# KiCad board panel-74pad-70pin-mezzanine.kicad_pcb (continued)
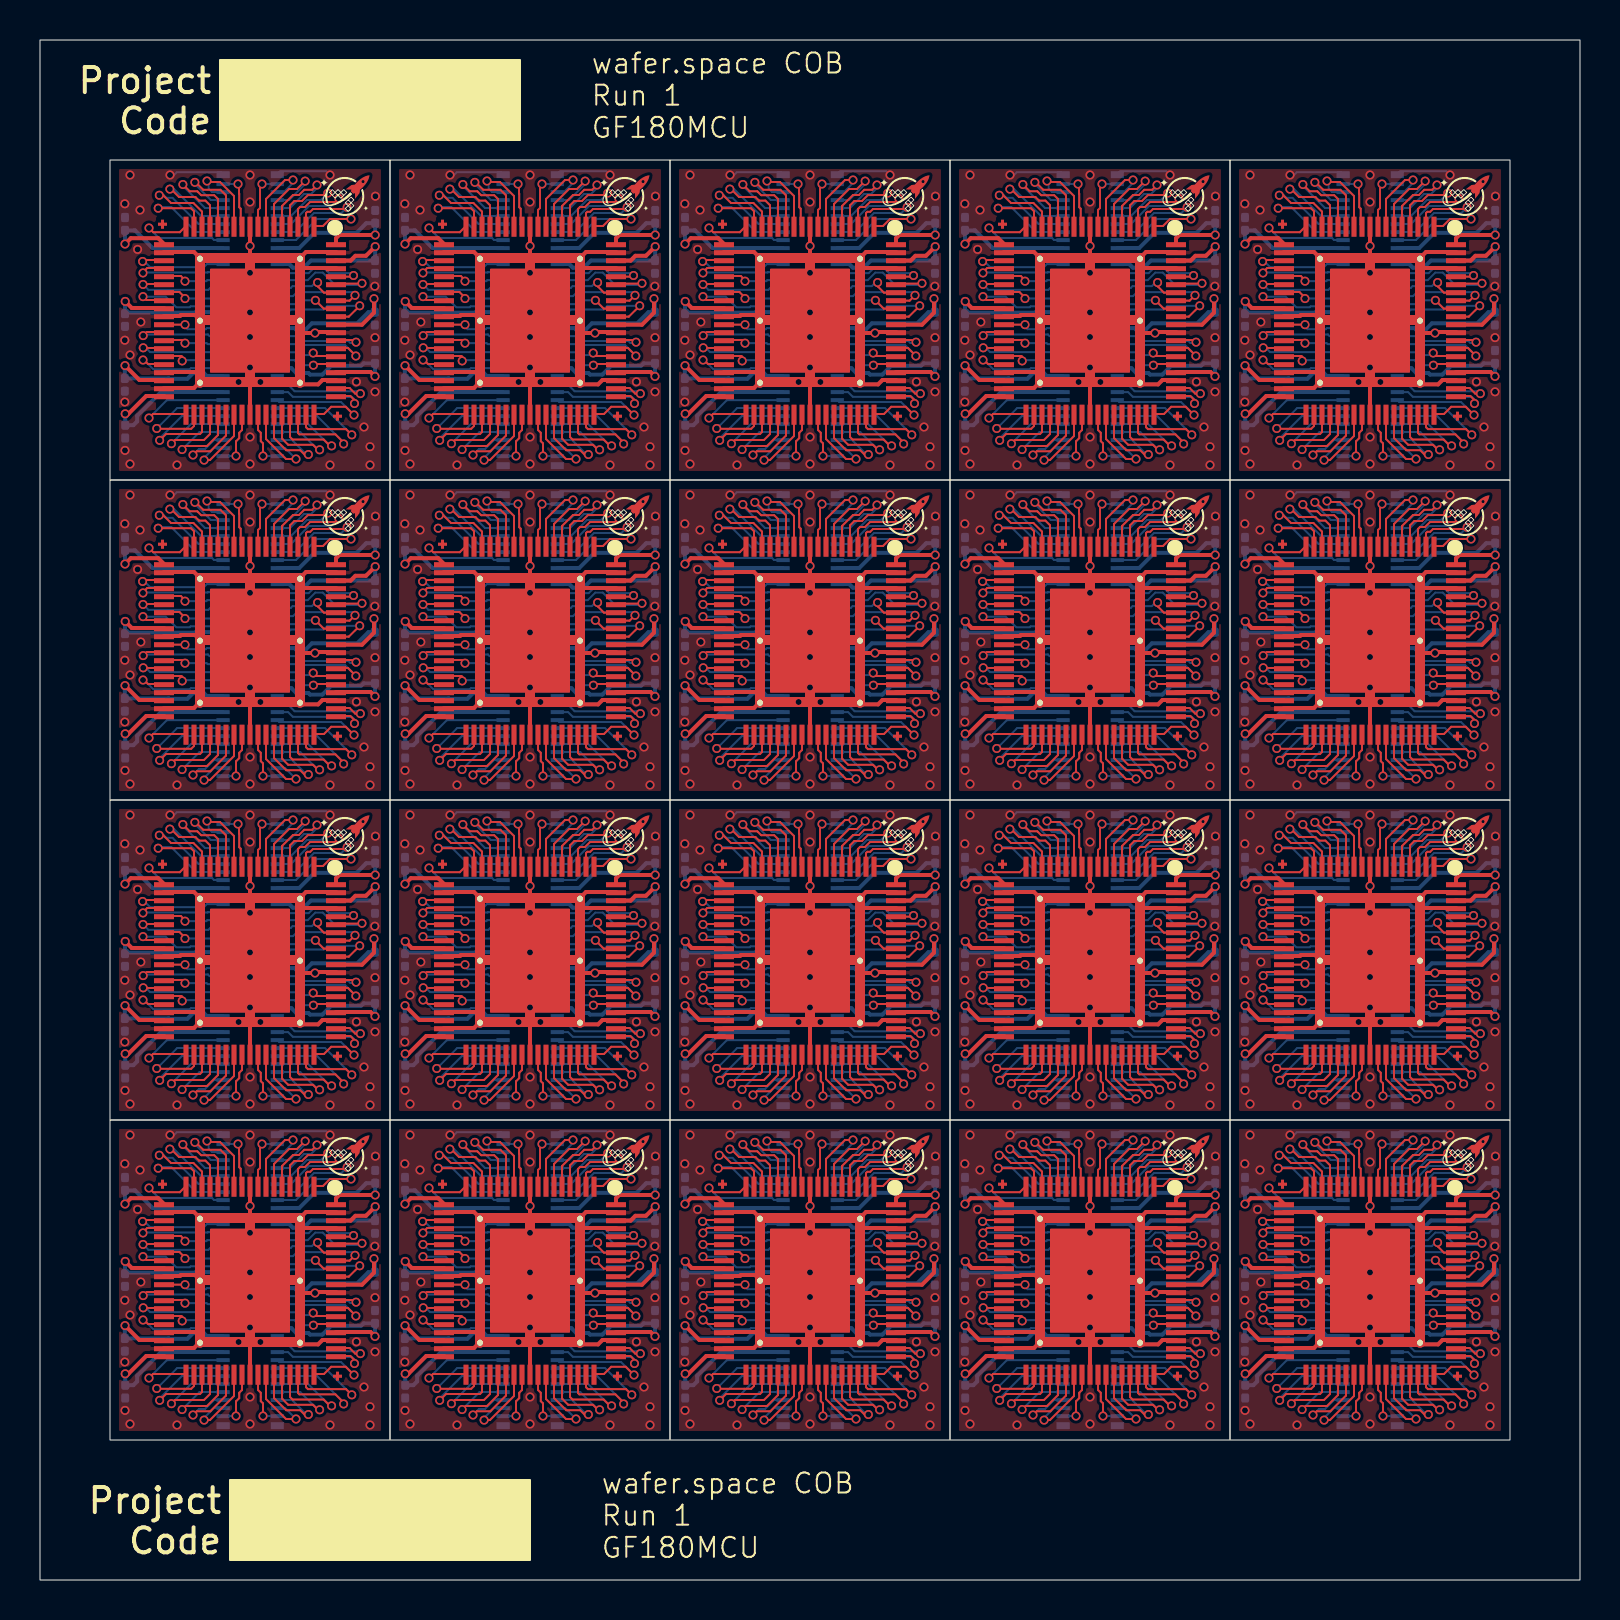
[diagram p0: board, top side]
## Routing (per net, layer and track width the routed paths; a pad name or vN(x,y) marks a point on that pad's centre or on a via; arc(x,y) is an arc through that point) (continued)
VDD_CORE_0: length 159.7
  Top w0.2: v1(32.25,60.72) 32.97,60 34.2,60 ; 6.2,60 4.97,60 v1(4.25,60.72) ; 34.2,44 32.97,44 v1(32.25,44.72) ; 20.2,28 18.97,28 v1(18.25,28.72) ; 34.2,28 32.97,28 v1(32.25,28.72) ; 34.2,12 32.97,12 v1(32.25,12.72) ; v1(46.25,60.72) 46.97,60 48.2,60 ; 6.2,44 4.97,44 v1(4.25,44.72) ; 48.2,44 46.97,44 v1(46.25,44.72) ; 62.2,28 60.97,28 v1(60.25,28.72) ; v1(46.25,12.72) 46.97,12 48.2,12 ; v1(4.25,28.72) 4.97,28 6.2,28 ; 20.2,44 18.97,44 v1(18.25,44.72) ; 20.2,60 18.97,60 v1(18.25,60.72) ; v1(60.25,12.72) 60.97,12 62.2,12 ; v1(60.25,60.72) 60.97,60 62.2,60 ; 20.2,12 18.97,12 v1(18.25,12.72) ; 48.2,28 46.97,28 v1(46.25,28.72) ; v1(4.25,12.72) 4.97,12 6.2,12 ; 62.2,44 60.97,44 v1(60.25,44.72)
  Bottom w0.2: 23.15,28.2 22.34,28.2 22.19,28.34 21.65,28.34 21.36,28.06 20.46,28.06 20.44,28.08 C191.1 18.24,28.71 v1(18.25,28.72) ; 51.15,28.2 50.34,28.2 50.19,28.34 49.65,28.34 49.36,28.06 48.46,28.06 48.44,28.08 C207.1 46.24,28.71 v1(46.25,28.72) ; 37.15,44.2 36.34,44.2 36.19,44.34 35.65,44.34 35.36,44.06 34.46,44.06 34.44,44.08 C159.1 32.24,44.71 v1(32.25,44.72) ; 65.15,60.2 64.34,60.2 64.19,60.34 63.65,60.34 63.36,60.06 62.46,60.06 62.44,60.08 C135.1 60.24,60.71 v1(60.25,60.72) ; 9.15,28.2 8.34,28.2 8.19,28.34 7.65,28.34 7.36,28.06 6.46,28.06 6.44,28.08 C183.1 4.24,28.71 v1(4.25,28.72) ; 37.15,28.2 36.34,28.2 36.19,28.34 35.65,28.34 35.36,28.06 34.46,28.06 34.44,28.08 C199.1 32.24,28.71 v1(32.25,28.72) ; v1(60.25,28.72) 60.24,28.71 C215.1 62.44,28.08 62.46,28.06 63.36,28.06 63.65,28.34 64.19,28.34 64.34,28.2 65.15,28.2 ; v1(32.25,12.72) 32.24,12.71 C239.1 34.44,12.08 34.46,12.06 35.36,12.06 35.65,12.34 36.19,12.34 36.34,12.2 37.15,12.2 ; 51.15,12.2 50.34,12.2 50.19,12.34 49.65,12.34 49.36,12.06 48.46,12.06 48.44,12.08 C247.1 46.24,12.71 v1(46.25,12.72) ; 65.15,44.2 64.34,44.2 64.19,44.34 63.65,44.34 63.36,44.06 62.46,44.06 62.44,44.08 C175.1 60.24,44.71 v1(60.25,44.72) ; 23.15,12.2 22.34,12.2 22.19,12.34 21.65,12.34 21.36,12.06 20.46,12.06 20.44,12.08 C231.1 18.24,12.71 v1(18.25,12.72) ; 51.15,44.2 50.34,44.2 50.19,44.34 49.65,44.34 49.36,44.06 48.46,44.06 48.44,44.08 C167.1 46.24,44.71 v1(46.25,44.72) ; 9.15,44.2 8.34,44.2 8.19,44.34 7.65,44.34 7.36,44.06 6.46,44.06 6.44,44.08 C143.1 4.24,44.71 v1(4.25,44.72) ; 23.15,60.2 22.34,60.2 22.19,60.34 21.65,60.34 21.36,60.06 20.46,60.06 20.44,60.08 C111.1 18.24,60.71 v1(18.25,60.72) ; 51.15,60.2 50.34,60.2 50.19,60.34 49.65,60.34 49.36,60.06 48.46,60.06 48.44,60.08 C127.1 46.24,60.71 v1(46.25,60.72) ; v1(60.25,12.72) 60.24,12.71 C255.1 62.44,12.08 62.46,12.06 63.36,12.06 63.65,12.34 64.19,12.34 64.34,12.2 65.15,12.2 ; v1(4.25,60.72) 4.24,60.71 C103.1 6.44,60.08 6.46,60.06 7.36,60.06 7.65,60.34 8.19,60.34 8.34,60.2 9.15,60.2 ; 37.15,60.2 36.34,60.2 36.19,60.34 35.65,60.34 35.36,60.06 34.46,60.06 34.44,60.08 C119.1 32.24,60.71 v1(32.25,60.72) ; 23.15,44.2 22.34,44.2 22.19,44.34 21.65,44.34 21.36,44.06 20.46,44.06 20.44,44.08 C151.1 18.24,44.71 v1(18.25,44.72) ; v1(4.25,12.72) 4.24,12.71 C223.1 6.44,12.08 6.46,12.06 7.36,12.06 7.65,12.34 8.19,12.34 8.34,12.2 9.15,12.2
VDD_CORE_1: length 161.7
  Top w0.2: v1(44.76,18.67) 44.3,18.21 43.77,18.21 43.53,17.97 42.83,17.97 42.8,18 ; 14.8,66 14.83,65.97 15.53,65.97 15.77,66.21 16.3,66.21 v1(16.76,66.67) ; v1(72.76,66.67) 72.3,66.21 71.77,66.21 71.53,65.97 70.83,65.97 70.8,66 ; 42.8,50 42.83,49.97 43.53,49.97 43.77,50.21 44.3,50.21 v1(44.76,50.67) ; 28.8,34 28.83,33.97 29.53,33.97 29.77,34.21 30.3,34.21 v1(30.76,34.67) ; v1(44.76,66.67) 44.3,66.21 43.77,66.21 43.53,65.97 42.83,65.97 42.8,66 ; v1(16.76,50.67) 16.3,50.21 15.77,50.21 15.53,49.97 14.83,49.97 14.8,50 ; 70.8,18 70.83,17.97 71.53,17.97 71.77,18.21 72.3,18.21 v1(72.76,18.67) ; v1(72.76,34.67) 72.3,34.21 71.77,34.21 71.53,33.97 70.83,33.97 70.8,34 ; v1(58.76,50.67) 58.3,50.21 57.77,50.21 57.53,49.97 56.83,49.97 56.8,50 ; v1(58.76,34.67) 58.3,34.21 57.77,34.21 57.53,33.97 56.83,33.97 56.8,34 ; v1(44.76,34.67) 44.3,34.21 43.77,34.21 43.53,33.97 42.83,33.97 42.8,34 ; v1(16.76,18.67) 16.3,18.21 15.77,18.21 15.53,17.97 14.83,17.97 14.8,18 ; v1(58.76,18.67) 58.3,18.21 57.77,18.21 57.53,17.97 56.83,17.97 56.8,18 ; v1(72.76,50.67) 72.3,50.21 71.77,50.21 71.53,49.97 70.83,49.97 70.8,50 ; v1(30.76,50.67) 30.3,50.21 29.77,50.21 29.53,49.97 28.83,49.97 28.8,50 ; 28.8,18 28.83,17.97 29.53,17.97 29.77,18.21 30.3,18.21 v1(30.76,18.67) ; 56.8,66 56.83,65.97 57.53,65.97 57.77,66.21 58.3,66.21 v1(58.76,66.67) ; 28.8,66 28.83,65.97 29.53,65.97 29.77,66.21 30.3,66.21 v1(30.76,66.67) ; 14.8,34 14.83,33.97 15.53,33.97 15.77,34.21 16.3,34.21 v1(16.76,34.67)
  Bottom w0.2: 39.85,17.8 40.46,17.8 40.64,17.61 41.19,17.61 41.55,17.97 C240.1 44.76,17.98 v1(44.76,18.67) ; v1(72.76,50.67) 72.76,49.98 C176.1 69.55,49.97 69.19,49.61 68.64,49.61 68.46,49.8 67.86,49.8 ; v1(58.76,50.67) 58.76,49.98 C168.1 55.55,49.97 55.19,49.61 54.64,49.61 54.46,49.8 53.85,49.8 ; v1(72.76,34.67) 72.76,33.98 C216.1 69.55,33.97 69.19,33.61 68.64,33.61 68.46,33.8 67.86,33.8 ; v1(30.76,50.67) 30.76,49.98 C152.1 27.55,49.97 27.19,49.61 26.64,49.61 26.46,49.8 25.85,49.8 ; v1(30.76,34.67) 30.76,33.98 C192.1 27.55,33.97 27.19,33.61 26.64,33.61 26.46,33.8 25.85,33.8 ; 67.86,65.8 68.46,65.8 68.64,65.61 69.19,65.61 69.55,65.97 C136.1 72.76,65.98 v1(72.76,66.67) ; 53.85,65.8 54.46,65.8 54.64,65.61 55.19,65.61 55.55,65.97 C128.1 58.76,65.98 v1(58.76,66.67) ; v1(58.76,18.67) 58.76,17.98 C248.1 55.55,17.97 55.19,17.61 54.64,17.61 54.46,17.8 53.85,17.8 ; 11.85,17.8 12.46,17.8 12.64,17.61 13.19,17.61 13.55,17.97 C224.1 16.76,17.98 v1(16.76,18.67) ; v1(44.76,66.67) 44.76,65.98 C120.1 41.55,65.97 41.19,65.61 40.64,65.61 40.46,65.8 39.85,65.8 ; 25.85,65.8 26.46,65.8 26.64,65.61 27.19,65.61 27.55,65.97 C112.1 30.76,65.98 v1(30.76,66.67) ; 11.85,49.8 12.46,49.8 12.64,49.61 13.19,49.61 13.55,49.97 C144.1 16.76,49.98 v1(16.76,50.67) ; v1(58.76,34.67) 58.76,33.98 C208.1 55.55,33.97 55.19,33.61 54.64,33.61 54.46,33.8 53.85,33.8 ; v1(16.76,34.67) 16.76,33.98 C184.1 13.55,33.97 13.19,33.61 12.64,33.61 12.46,33.8 11.85,33.8 ; v1(16.76,66.67) 16.76,65.98 C104.1 13.55,65.97 13.19,65.61 12.64,65.61 12.46,65.8 11.85,65.8 ; v1(44.76,50.67) 44.76,49.98 C160.1 41.55,49.97 41.19,49.61 40.64,49.61 40.46,49.8 39.85,49.8 ; 39.85,33.8 40.46,33.8 40.64,33.61 41.19,33.61 41.55,33.97 C200.1 44.76,33.98 v1(44.76,34.67) ; v1(72.76,18.67) 72.76,17.98 C256.1 69.55,17.97 69.19,17.61 68.64,17.61 68.46,17.8 67.86,17.8 ; v1(30.76,18.67) 30.76,17.98 C232.1 27.55,17.97 27.19,17.61 26.64,17.61 26.46,17.8 25.85,17.8
VDD_IO_0: length 162.7
  Top w0.2: v1(60.25,34.8) 60.54,35.09 61.91,35.09 62.2,34.8 ; 6.2,50.8 5.91,51.09 4.54,51.09 v1(4.25,50.8) ; v1(46.25,18.8) 46.54,19.09 47.91,19.09 48.2,18.8 ; 34.2,66.8 33.91,67.09 32.54,67.09 v1(32.25,66.8) ; v1(32.25,50.8) 32.54,51.09 33.91,51.09 34.2,50.8 ; 48.2,66.8 47.91,67.09 46.54,67.09 v1(46.25,66.8) ; 6.2,34.8 5.91,35.09 4.54,35.09 v1(4.25,34.8) ; v1(60.25,66.8) 60.54,67.09 61.91,67.09 62.2,66.8 ; 20.2,34.8 19.91,35.09 18.54,35.09 v1(18.25,34.8) ; 62.2,50.8 61.91,51.09 60.54,51.09 v1(60.25,50.8) ; 62.2,18.8 61.91,19.09 60.54,19.09 v1(60.25,18.8) ; v1(46.25,34.8) 46.54,35.09 47.91,35.09 48.2,34.8 ; v1(4.25,18.8) 4.54,19.09 5.91,19.09 6.2,18.8 ; v1(32.25,18.8) 32.54,19.09 33.91,19.09 34.2,18.8 ; v1(32.25,34.8) 32.54,35.09 33.91,35.09 34.2,34.8 ; 20.2,66.8 19.91,67.09 18.54,67.09 v1(18.25,66.8) ; 48.2,50.8 47.91,51.09 46.54,51.09 v1(46.25,50.8) ; v1(18.25,18.8) 18.54,19.09 19.91,19.09 20.2,18.8 ; v1(18.25,50.8) 18.54,51.09 19.91,51.09 20.2,50.8 ; 6.2,66.8 5.91,67.09 4.54,67.09 v1(4.25,66.8)
  Bottom w0.2: v1(60.25,66.8) C139.1 60.74,67.48 61.63,66.6 65.15,66.6 ; v1(4.25,66.8) C107.1 4.74,67.48 5.63,66.6 9.15,66.6 ; 51.15,18.6 47.63,18.6 46.74,19.48 C251.1 v1(46.25,18.8) ; 37.15,34.6 33.63,34.6 32.74,35.48 C203.1 v1(32.25,34.8) ; 23.15,66.6 19.63,66.6 18.74,67.48 C115.1 v1(18.25,66.8) ; v1(18.25,18.8) C235.1 18.74,19.48 19.63,18.6 23.15,18.6 ; 37.15,66.6 33.63,66.6 32.74,67.48 C123.1 v1(32.25,66.8) ; 51.15,66.6 47.63,66.6 46.74,67.48 C131.1 v1(46.25,66.8) ; v1(60.25,34.8) C219.1 60.74,35.48 61.63,34.6 65.15,34.6 ; v1(18.25,34.8) C195.1 18.74,35.48 19.63,34.6 23.15,34.6 ; v1(46.25,50.8) C171.1 46.74,51.48 47.63,50.6 51.15,50.6 ; 37.15,18.6 33.63,18.6 32.74,19.48 C243.1 v1(32.25,18.8) ; 9.15,18.6 5.63,18.6 4.74,19.48 C227.1 v1(4.25,18.8) ; 9.15,34.6 5.63,34.6 4.74,35.48 C187.1 v1(4.25,34.8) ; 9.15,50.6 5.63,50.6 4.74,51.48 C147.1 v1(4.25,50.8) ; v1(60.25,18.8) C259.1 60.74,19.48 61.63,18.6 65.15,18.6 ; 37.15,50.6 33.63,50.6 32.74,51.48 C163.1 v1(32.25,50.8) ; v1(60.25,50.8) C179.1 60.74,51.48 61.63,50.6 65.15,50.6 ; v1(46.25,34.8) C211.1 46.74,35.48 47.63,34.6 51.15,34.6 ; 23.15,50.6 19.63,50.6 18.74,51.48 C155.1 v1(18.25,50.8)
VDD_IO_1: length 172.3
  Top w0.2: 20.2,59.2 19.31,59.2 18.42,58.31 v1(18.26,58.31) ; 62.2,27.2 61.31,27.2 60.42,26.31 v1(60.26,26.31) ; v1(32.26,58.31) 32.42,58.31 33.31,59.2 34.2,59.2 ; 34.2,27.2 33.31,27.2 32.42,26.31 v1(32.26,26.31) ; v1(46.26,10.31) 46.42,10.31 47.31,11.2 48.2,11.2 ; 6.2,59.2 5.31,59.2 4.42,58.31 v1(4.26,58.31) ; v1(32.26,42.31) 32.42,42.31 33.31,43.2 34.2,43.2 ; 62.2,43.2 61.31,43.2 60.42,42.31 v1(60.26,42.31) ; v1(4.26,42.31) 4.42,42.31 5.31,43.2 6.2,43.2 ; 20.2,11.2 19.31,11.2 18.42,10.31 v1(18.26,10.31) ; 6.2,11.2 5.31,11.2 4.42,10.31 v1(4.26,10.31) ; 48.2,59.2 47.31,59.2 46.42,58.31 v1(46.26,58.31) ; 48.2,27.2 47.31,27.2 46.42,26.31 v1(46.26,26.31) ; 20.2,27.2 19.31,27.2 18.42,26.31 v1(18.26,26.31) ; v1(32.26,10.31) 32.42,10.31 33.31,11.2 34.2,11.2 ; 48.2,43.2 47.31,43.2 46.42,42.31 v1(46.26,42.31) ; 62.2,11.2 61.31,11.2 60.42,10.31 v1(60.26,10.31) ; v1(60.26,58.31) 60.42,58.31 61.31,59.2 62.2,59.2 ; v1(4.26,26.31) 4.42,26.31 5.31,27.2 6.2,27.2 ; 20.2,43.2 19.31,43.2 18.42,42.31 v1(18.26,42.31)
  Bottom w0.2: 9.15,27.4 6.05,27.4 4.86,26.21 4.86,25.93 4.67,25.74 C181.1 v1(4.26,26.31) ; 51.15,27.4 48.05,27.4 46.86,26.21 46.86,25.93 46.67,25.74 C205.1 v1(46.26,26.31) ; 23.15,11.4 20.05,11.4 18.86,10.21 18.86,9.93 18.67,9.74 C229.1 v1(18.26,10.31) ; v1(18.26,26.31) C189.1 18.67,25.74 18.86,25.93 18.86,26.21 20.05,27.4 23.15,27.4 ; 51.15,59.4 48.05,59.4 46.86,58.21 46.86,57.93 46.67,57.74 C125.1 v1(46.26,58.31) ; 37.15,59.4 34.05,59.4 32.86,58.21 32.86,57.93 32.67,57.74 C117.1 v1(32.26,58.31) ; v1(32.26,42.31) C157.1 32.67,41.74 32.86,41.93 32.86,42.21 34.05,43.4 37.15,43.4 ; 65.15,59.4 62.05,59.4 60.86,58.21 60.86,57.93 60.67,57.74 C133.1 v1(60.26,58.31) ; v1(60.26,10.31) C253.1 60.67,9.74 60.86,9.93 60.86,10.21 62.05,11.4 65.15,11.4 ; v1(18.26,42.31) C149.1 18.67,41.74 18.86,41.93 18.86,42.21 20.05,43.4 23.15,43.4 ; v1(4.26,10.31) C221.1 4.67,9.74 4.86,9.93 4.86,10.21 6.05,11.4 9.15,11.4 ; v1(4.26,58.31) C101.1 4.67,57.74 4.86,57.93 4.86,58.21 6.05,59.4 9.15,59.4 ; v1(60.26,42.31) C173.1 60.67,41.74 60.86,41.93 60.86,42.21 62.05,43.4 65.15,43.4 ; 65.15,27.4 62.05,27.4 60.86,26.21 60.86,25.93 60.67,25.74 C213.1 v1(60.26,26.31) ; 37.15,27.4 34.05,27.4 32.86,26.21 32.86,25.93 32.67,25.74 C197.1 v1(32.26,26.31) ; v1(32.26,10.31) C237.1 32.67,9.74 32.86,9.93 32.86,10.21 34.05,11.4 37.15,11.4 ; 9.15,43.4 6.05,43.4 4.86,42.21 4.86,41.93 4.67,41.74 C141.1 v1(4.26,42.31) ; v1(46.26,10.31) C245.1 46.67,9.74 46.86,9.93 46.86,10.21 48.05,11.4 51.15,11.4 ; 23.15,59.4 20.05,59.4 18.86,58.21 18.86,57.93 18.67,57.74 C109.1 v1(18.26,58.31) ; v1(46.26,42.31) C165.1 46.67,41.74 46.86,41.93 46.86,42.21 48.05,43.4 51.15,43.4
VDD_IO_2: length 159
  Top w0.2: 28.8,60.4 30.53,60.4 v1(30.75,60.18) ; v1(58.75,44.18) 58.53,44.4 56.8,44.4 ; 70.8,28.4 72.53,28.4 v1(72.75,28.18) ; 70.8,12.4 72.53,12.4 v1(72.75,12.18) ; v1(16.75,44.18) 16.53,44.4 14.8,44.4 ; 70.8,60.4 72.53,60.4 v1(72.75,60.18) ; 28.8,12.4 30.53,12.4 v1(30.75,12.18) ; v1(30.75,44.18) 30.53,44.4 28.8,44.4 ; v1(72.75,44.18) 72.53,44.4 70.8,44.4 ; v1(16.75,60.18) 16.53,60.4 14.8,60.4 ; v1(30.75,28.18) 30.53,28.4 28.8,28.4 ; 14.8,28.4 16.53,28.4 v1(16.75,28.18) ; v1(58.75,28.18) 58.53,28.4 56.8,28.4 ; 14.8,12.4 16.53,12.4 v1(16.75,12.18) ; 42.8,60.4 44.53,60.4 v1(44.75,60.18) ; v1(44.75,28.18) 44.53,28.4 42.8,28.4 ; v1(44.75,12.18) 44.53,12.4 42.8,12.4 ; v1(58.75,60.18) 58.53,60.4 56.8,60.4 ; v1(44.75,44.18) 44.53,44.4 42.8,44.4 ; v1(58.75,12.18) 58.53,12.4 56.8,12.4
  Bottom w0.2: v1(58.75,44.18) 58.75,44.83 58.18,44.83 58.05,44.71 56.56,44.71 56.12,44.27 55.5,44.27 55.42,44.35 54.81,44.35 54.57,44.59 U117.24 ; v1(16.75,28.18) 16.75,28.83 16.18,28.83 16.05,28.71 14.56,28.71 14.12,28.27 13.5,28.27 13.42,28.35 12.81,28.35 12.57,28.59 U121.24 ; v1(58.75,28.18) 58.75,28.83 58.18,28.83 58.05,28.71 56.56,28.71 56.12,28.27 55.5,28.27 55.42,28.35 54.81,28.35 54.57,28.59 U127.24 ; v1(16.75,44.18) 16.75,44.83 16.18,44.83 16.05,44.71 14.56,44.71 14.12,44.27 13.5,44.27 13.42,44.35 12.81,44.35 12.57,44.59 U111.24 ; U139.24 68.57,12.59 68.81,12.35 69.42,12.35 69.5,12.27 70.12,12.27 70.56,12.71 72.05,12.71 72.18,12.83 72.75,12.83 v1(72.75,12.18) ; U119.24 68.57,44.59 68.81,44.35 69.42,44.35 69.5,44.27 70.12,44.27 70.56,44.71 72.05,44.71 72.18,44.83 72.75,44.83 v1(72.75,44.18) ; U105.24 40.57,60.59 40.81,60.35 41.42,60.35 41.5,60.27 42.12,60.27 42.56,60.71 44.05,60.71 44.18,60.84 C124.1 v1(44.75,60.18) ; v1(30.75,60.18) C116.1 30.18,60.84 30.05,60.71 28.56,60.71 28.12,60.27 27.5,60.27 27.42,60.35 26.81,60.35 26.57,60.59 U103.24 ; v1(44.75,44.18) 44.75,44.83 44.18,44.83 44.05,44.71 42.56,44.71 42.12,44.27 41.5,44.27 41.42,44.35 40.81,44.35 40.57,44.59 U115.24 ; U107.24 54.57,60.59 54.81,60.35 55.42,60.35 55.5,60.27 56.12,60.27 56.56,60.71 58.05,60.71 58.18,60.84 C132.1 v1(58.75,60.18) ; v1(16.75,60.18) C108.1 16.18,60.84 16.05,60.71 14.56,60.71 14.12,60.27 13.5,60.27 13.42,60.35 12.81,60.35 12.57,60.59 U101.24 ; v1(44.75,12.18) 44.75,12.83 44.18,12.83 44.05,12.71 42.56,12.71 42.12,12.27 41.5,12.27 41.42,12.35 40.81,12.35 40.57,12.59 U135.24 ; U109.24 68.57,60.59 68.81,60.35 69.42,60.35 69.5,60.27 70.12,60.27 70.56,60.71 72.05,60.71 72.18,60.84 C140.1 v1(72.75,60.18) ; v1(16.75,12.18) 16.75,12.83 16.18,12.83 16.05,12.71 14.56,12.71 14.12,12.27 13.5,12.27 13.42,12.35 12.81,12.35 12.57,12.59 U131.24 ; v1(58.75,12.18) 58.75,12.83 58.18,12.83 58.05,12.71 56.56,12.71 56.12,12.27 55.5,12.27 55.42,12.35 54.81,12.35 54.57,12.59 U137.24 ; v1(72.75,28.18) 72.75,28.83 72.18,28.83 72.05,28.71 70.56,28.71 70.12,28.27 69.5,28.27 69.42,28.35 68.81,28.35 68.57,28.59 U129.24 ; U113.24 26.57,44.59 26.81,44.35 27.42,44.35 27.5,44.27 28.12,44.27 28.56,44.71 30.05,44.71 30.18,44.83 30.75,44.83 v1(30.75,44.18) ; v1(44.75,28.18) 44.75,28.83 44.18,28.83 44.05,28.71 42.56,28.71 42.12,28.27 41.5,28.27 41.42,28.35 40.81,28.35 40.57,28.59 U125.24 ; U123.24 26.57,28.59 26.81,28.35 27.42,28.35 27.5,28.27 28.12,28.27 28.56,28.71 30.05,28.71 30.18,28.83 30.75,28.83 v1(30.75,28.18) ; U133.24 26.57,12.59 26.81,12.35 27.42,12.35 27.5,12.27 28.12,12.27 28.56,12.71 30.05,12.71 30.18,12.83 30.75,12.83 v1(30.75,12.18)
VDD_IO_3: length 166.5
  Top w0.2: 42.8,18.8 42.8,19.09 42.96,19.25 v1(44.76,19.25) ; v1(44.76,35.25) 42.96,35.25 42.8,35.09 42.8,34.8 ; v1(72.76,51.25) 70.96,51.25 70.8,51.09 70.8,50.8 ; 56.8,66.8 56.8,67.09 56.96,67.25 v1(58.76,67.25) ; v1(16.76,19.25) 14.96,19.25 14.8,19.09 14.8,18.8 ; v1(72.76,67.25) 70.96,67.25 70.8,67.09 70.8,66.8 ; v1(30.76,67.25) 28.96,67.25 28.8,67.09 28.8,66.8 ; 14.8,66.8 14.8,67.09 14.96,67.25 v1(16.76,67.25) ; v1(72.76,19.25) 70.96,19.25 70.8,19.09 70.8,18.8 ; v1(16.76,51.25) 14.96,51.25 14.8,51.09 14.8,50.8 ; v1(44.76,67.25) 42.96,67.25 42.8,67.09 42.8,66.8 ; v1(30.76,35.25) 28.96,35.25 28.8,35.09 28.8,34.8 ; 56.8,34.8 56.8,35.09 56.96,35.25 v1(58.76,35.25) ; v1(72.76,35.25) 70.96,35.25 70.8,35.09 70.8,34.8 ; 28.8,18.8 28.8,19.09 28.96,19.25 v1(30.76,19.25) ; 56.8,18.8 56.8,19.09 56.96,19.25 v1(58.76,19.25) ; 42.8,50.8 42.8,51.09 42.96,51.25 v1(44.76,51.25) ; 56.8,50.8 56.8,51.09 56.96,51.25 v1(58.76,51.25) ; 14.8,34.8 14.8,35.09 14.96,35.25 v1(16.76,35.25) ; v1(30.76,51.25) 28.96,51.25 28.8,51.09 28.8,50.8
  Bottom w0.2: 11.85,50.6 12.96,50.6 13.72,51.36 15.83,51.36 16.31,51.84 C142.1 v1(16.76,51.25) ; v1(30.76,51.25) C150.1 30.31,51.84 29.83,51.36 27.72,51.36 26.96,50.6 25.85,50.6 ; v1(16.76,67.25) C102.1 16.31,67.84 15.83,67.36 13.72,67.36 12.96,66.6 11.85,66.6 ; 53.85,34.6 54.96,34.6 55.72,35.36 57.83,35.36 58.31,35.84 C206.1 v1(58.76,35.25) ; 67.86,18.6 68.96,18.6 69.72,19.36 71.83,19.36 72.31,19.84 C254.1 v1(72.76,19.25) ; 39.85,66.6 40.96,66.6 41.72,67.36 43.83,67.36 44.31,67.84 C118.1 v1(44.76,67.25) ; v1(72.76,51.25) C174.1 72.31,51.84 71.83,51.36 69.72,51.36 68.96,50.6 67.86,50.6 ; v1(72.76,67.25) C134.1 72.31,67.84 71.83,67.36 69.72,67.36 68.96,66.6 67.86,66.6 ; v1(16.76,19.25) C222.1 16.31,19.84 15.83,19.36 13.72,19.36 12.96,18.6 11.85,18.6 ; 67.86,34.6 68.96,34.6 69.72,35.36 71.83,35.36 72.31,35.84 C214.1 v1(72.76,35.25) ; v1(16.76,35.25) C182.1 16.31,35.84 15.83,35.36 13.72,35.36 12.96,34.6 11.85,34.6 ; 39.85,34.6 40.96,34.6 41.72,35.36 43.83,35.36 44.31,35.84 C198.1 v1(44.76,35.25) ; v1(58.76,51.25) C166.1 58.31,51.84 57.83,51.36 55.72,51.36 54.96,50.6 53.85,50.6 ; 53.85,18.6 54.96,18.6 55.72,19.36 57.83,19.36 58.31,19.84 C246.1 v1(58.76,19.25) ; 25.85,34.6 26.96,34.6 27.72,35.36 29.83,35.36 30.31,35.84 C190.1 v1(30.76,35.25) ; 53.85,66.6 54.96,66.6 55.72,67.36 57.83,67.36 58.31,67.84 C126.1 v1(58.76,67.25) ; v1(30.76,67.25) C110.1 30.31,67.84 29.83,67.36 27.72,67.36 26.96,66.6 25.85,66.6 ; 39.85,18.6 40.96,18.6 41.72,19.36 43.83,19.36 44.31,19.84 C238.1 v1(44.76,19.25) ; v1(30.76,19.25) C230.1 30.31,19.84 29.83,19.36 27.72,19.36 26.96,18.6 25.85,18.6 ; 39.85,50.6 40.96,50.6 41.72,51.36 43.83,51.36 44.31,51.84 C158.1 v1(44.76,51.25)
/pad_0: length 122.5
  Top w0.1: v1(57.55,68.05) 56.5,68.05 56.15,67.7 55.7,67.7 ; 27.7,51.7 28.15,51.7 28.5,52.05 v1(29.55,52.05) ; v1(57.55,20.05) 56.5,20.05 56.15,19.7 55.7,19.7 ; v1(71.55,52.05) 70.5,52.05 70.15,51.7 69.7,51.7 ; 41.7,67.7 42.15,67.7 42.5,68.05 v1(43.55,68.05) ; 69.7,35.7 70.15,35.7 70.5,36.05 v1(71.55,36.05) ; v1(43.55,52.05) 42.5,52.05 42.15,51.7 41.7,51.7 ; v1(57.55,52.05) 56.5,52.05 56.15,51.7 55.7,51.7 ; 69.7,67.7 70.15,67.7 70.5,68.05 v1(71.55,68.05) ; v1(71.55,20.05) 70.5,20.05 70.15,19.7 69.7,19.7 ; v1(15.55,68.05) 14.5,68.05 14.15,67.7 13.7,67.7 ; 27.7,35.7 28.15,35.7 28.5,36.05 v1(29.55,36.05) ; 55.7,35.7 56.15,35.7 56.5,36.05 v1(57.55,36.05) ; v1(29.55,20.05) 28.5,20.05 28.15,19.7 27.7,19.7 ; 13.7,19.7 14.15,19.7 14.5,20.05 v1(15.55,20.05) ; 27.7,67.7 28.15,67.7 28.5,68.05 v1(29.55,68.05) ; v1(15.55,36.05) 14.5,36.05 14.15,35.7 13.7,35.7 ; v1(43.55,20.05) 42.5,20.05 42.15,19.7 41.7,19.7 ; 41.7,35.7 42.15,35.7 42.5,36.05 v1(43.55,36.05) ; v1(15.55,52.05) 14.5,52.05 14.15,51.7 13.7,51.7
  Bottom w0.1: 67.86,19 68.8,19 69.85,20.05 v1(71.55,20.05) ; v1(71.55,52.05) 69.85,52.05 68.8,51 67.86,51 ; v1(71.55,36.05) 69.85,36.05 68.8,35 67.86,35 ; v1(29.55,20.05) 27.85,20.05 26.8,19 25.85,19 ; v1(29.55,68.05) 27.85,68.05 26.8,67 25.85,67 ; 53.85,35 54.8,35 55.85,36.05 v1(57.55,36.05) ; 25.85,35 26.8,35 27.85,36.05 v1(29.55,36.05) ; v1(71.55,68.05) 69.85,68.05 68.8,67 67.86,67 ; v1(29.55,52.05) 27.85,52.05 26.8,51 25.85,51 ; 53.85,67 54.8,67 55.85,68.05 v1(57.55,68.05) ; 11.85,35 12.8,35 13.85,36.05 v1(15.55,36.05) ; 53.85,51 54.8,51 55.85,52.05 v1(57.55,52.05) ; 11.85,51 12.8,51 13.85,52.05 v1(15.55,52.05) ; v1(43.55,36.05) 41.85,36.05 40.8,35 39.85,35 ; 39.85,67 40.8,67 41.85,68.05 v1(43.55,68.05) ; 11.85,19 12.8,19 13.85,20.05 v1(15.55,20.05) ; v1(15.55,68.05) 13.85,68.05 12.8,67 11.85,67 ; 53.85,19 54.8,19 55.85,20.05 v1(57.55,20.05) ; 39.85,19 40.8,19 41.85,20.05 v1(43.55,20.05) ; 39.85,51 40.8,51 41.85,52.05 v1(43.55,52.05)
/pad_1: length 136.8
  Top w0.1: v1(43.36,20.64) 43.27,20.55 41.65,20.55 41.51,20.41 41.36,20.41 41.3,20.35 41.3,19.7 ; v1(15.36,68.64) 15.27,68.55 13.65,68.55 13.51,68.41 13.36,68.41 13.3,68.35 13.3,67.7 ; v1(57.36,36.64) 57.27,36.55 55.65,36.55 55.51,36.41 55.36,36.41 55.3,36.35 55.3,35.7 ; 27.3,35.7 27.3,36.35 27.36,36.41 27.51,36.41 27.65,36.55 29.27,36.55 v1(29.36,36.64) ; 13.3,35.7 13.3,36.35 13.36,36.41 13.51,36.41 13.65,36.55 15.27,36.55 v1(15.36,36.64) ; v1(15.36,20.64) 15.27,20.55 13.65,20.55 13.51,20.41 13.36,20.41 13.3,20.35 13.3,19.7 ; 41.3,35.7 41.3,36.35 41.36,36.41 41.51,36.41 41.65,36.55 43.27,36.55 v1(43.36,36.64) ; 69.3,51.7 69.3,52.35 69.36,52.41 69.51,52.41 69.65,52.55 71.27,52.55 v1(71.36,52.64) ; v1(71.36,68.64) 71.27,68.55 69.65,68.55 69.51,68.41 69.36,68.41 69.3,68.35 69.3,67.7 ; v1(57.36,52.64) 57.27,52.55 55.65,52.55 55.51,52.41 55.36,52.41 55.3,52.35 55.3,51.7 ; 27.3,67.7 27.3,68.35 27.36,68.41 27.51,68.41 27.65,68.55 29.27,68.55 v1(29.36,68.64) ; v1(29.36,20.64) 29.27,20.55 27.65,20.55 27.51,20.41 27.36,20.41 27.3,20.35 27.3,19.7 ; 69.3,35.7 69.3,36.35 69.36,36.41 69.51,36.41 69.65,36.55 71.27,36.55 v1(71.36,36.64) ; v1(71.36,20.64) 71.27,20.55 69.65,20.55 69.51,20.41 69.36,20.41 69.3,20.35 69.3,19.7 ; 13.3,51.7 13.3,52.35 13.36,52.41 13.51,52.41 13.65,52.55 15.27,52.55 v1(15.36,52.64) ; v1(43.36,52.64) 43.27,52.55 41.65,52.55 41.51,52.41 41.36,52.41 41.3,52.35 41.3,51.7 ; v1(29.36,52.64) 29.27,52.55 27.65,52.55 27.51,52.41 27.36,52.41 27.3,52.35 27.3,51.7 ; 55.3,19.7 55.3,20.35 55.36,20.41 55.51,20.41 55.65,20.55 57.27,20.55 v1(57.36,20.64) ; v1(43.36,68.64) 43.27,68.55 41.65,68.55 41.51,68.41 41.36,68.41 41.3,68.35 41.3,67.7 ; 55.3,67.7 55.3,68.35 55.36,68.41 55.51,68.41 55.65,68.55 57.27,68.55 v1(57.36,68.64)
  Bottom w0.1: v1(57.36,36.64) 57.07,36.35 55.7,36.35 54.75,35.4 53.85,35.4 ; v1(15.36,68.64) 15.07,68.35 13.7,68.35 12.75,67.4 11.85,67.4 ; v1(71.36,68.64) 71.07,68.35 69.7,68.35 68.75,67.4 67.86,67.4 ; 53.85,19.4 54.75,19.4 55.7,20.35 57.07,20.35 v1(57.36,20.64) ; v1(71.36,36.64) 71.07,36.35 69.7,36.35 68.75,35.4 67.86,35.4 ; v1(43.36,36.64) 43.07,36.35 41.7,36.35 40.75,35.4 39.85,35.4 ; 11.85,35.4 12.75,35.4 13.7,36.35 15.07,36.35 v1(15.36,36.64) ; v1(43.36,68.64) 43.07,68.35 41.7,68.35 40.75,67.4 39.85,67.4 ; 25.85,19.4 26.75,19.4 27.7,20.35 29.07,20.35 v1(29.36,20.64) ; v1(71.36,52.64) 71.07,52.35 69.7,52.35 68.75,51.4 67.86,51.4 ; 53.85,51.4 54.75,51.4 55.7,52.35 57.07,52.35 v1(57.36,52.64) ; 11.85,51.4 12.75,51.4 13.7,52.35 15.07,52.35 v1(15.36,52.64) ; v1(15.36,20.64) 15.07,20.35 13.7,20.35 12.75,19.4 11.85,19.4 ; v1(29.36,36.64) 29.07,36.35 27.7,36.35 26.75,35.4 25.85,35.4 ; v1(57.36,68.64) 57.07,68.35 55.7,68.35 54.75,67.4 53.85,67.4 ; 25.85,51.4 26.75,51.4 27.7,52.35 29.07,52.35 v1(29.36,52.64) ; 39.85,51.4 40.75,51.4 41.7,52.35 43.07,52.35 v1(43.36,52.64) ; v1(43.36,20.64) 43.07,20.35 41.7,20.35 40.75,19.4 39.85,19.4 ; v1(29.36,68.64) 29.07,68.35 27.7,68.35 26.75,67.4 25.85,67.4 ; 67.86,19.4 68.75,19.4 69.7,20.35 71.07,20.35 v1(71.36,20.64)
/pad_2: length 134.5
  Top w0.1: 68.9,51.7 68.9,52.55 69,52.65 69.25,52.65 69.5,52.9 70.76,52.9 v1(70.94,53.08) ; v1(28.94,53.08) 28.76,52.9 27.5,52.9 27.25,52.65 27,52.65 26.9,52.55 26.9,51.7 ; 54.9,67.7 54.9,68.55 55,68.65 55.25,68.65 55.5,68.9 56.76,68.9 v1(56.94,69.08) ; 12.9,19.7 12.9,20.55 13,20.65 13.25,20.65 13.5,20.9 14.76,20.9 v1(14.94,21.08) ; v1(28.94,37.08) 28.76,36.9 27.5,36.9 27.25,36.65 27,36.65 26.9,36.55 26.9,35.7 ; 54.9,35.7 54.9,36.55 55,36.65 55.25,36.65 55.5,36.9 56.76,36.9 v1(56.94,37.08) ; v1(42.94,53.08) 42.76,52.9 41.5,52.9 41.25,52.65 41,52.65 40.9,52.55 40.9,51.7 ; 12.9,35.7 12.9,36.55 13,36.65 13.25,36.65 13.5,36.9 14.76,36.9 v1(14.94,37.08) ; v1(42.94,37.08) 42.76,36.9 41.5,36.9 41.25,36.65 41,36.65 40.9,36.55 40.9,35.7 ; 26.9,67.7 26.9,68.55 27,68.65 27.25,68.65 27.5,68.9 28.76,68.9 v1(28.94,69.08) ; 68.9,35.7 68.9,36.55 69,36.65 69.25,36.65 69.5,36.9 70.76,36.9 v1(70.94,37.08) ; v1(56.94,53.08) 56.76,52.9 55.5,52.9 55.25,52.65 55,52.65 54.9,52.55 54.9,51.7 ; 12.9,51.7 12.9,52.55 13,52.65 13.25,52.65 13.5,52.9 14.76,52.9 v1(14.94,53.08) ; v1(70.94,69.08) 70.76,68.9 69.5,68.9 69.25,68.65 69,68.65 68.9,68.55 68.9,67.7 ; v1(42.94,21.08) 42.76,20.9 41.5,20.9 41.25,20.65 41,20.65 40.9,20.55 40.9,19.7 ; 54.9,19.7 54.9,20.55 55,20.65 55.25,20.65 55.5,20.9 56.76,20.9 v1(56.94,21.08) ; v1(14.94,69.08) 14.76,68.9 13.5,68.9 13.25,68.65 13,68.65 12.9,68.55 12.9,67.7 ; 40.9,67.7 40.9,68.55 41,68.65 41.25,68.65 41.5,68.9 42.76,68.9 v1(42.94,69.08) ; 68.9,19.7 68.9,20.55 69,20.65 69.25,20.65 69.5,20.9 70.76,20.9 v1(70.94,21.08) ; 26.9,19.7 26.9,20.55 27,20.65 27.25,20.65 27.5,20.9 28.76,20.9 v1(28.94,21.08)
  Bottom w0.1: 53.85,35.8 54.55,35.8 55.45,36.7 56.56,36.7 v1(56.94,37.08) ; 67.86,19.8 68.55,19.8 69.45,20.7 70.56,20.7 v1(70.94,21.08) ; 67.86,51.8 68.55,51.8 69.45,52.7 70.56,52.7 v1(70.94,53.08) ; 25.85,19.8 26.55,19.8 27.45,20.7 28.56,20.7 v1(28.94,21.08) ; 11.85,35.8 12.55,35.8 13.45,36.7 14.56,36.7 v1(14.94,37.08) ; 53.85,67.8 54.55,67.8 55.45,68.7 56.56,68.7 v1(56.94,69.08) ; v1(70.94,69.08) 70.56,68.7 69.45,68.7 68.55,67.8 67.86,67.8 ; v1(28.94,53.08) 28.56,52.7 27.45,52.7 26.55,51.8 25.85,51.8 ; 53.85,51.8 54.55,51.8 55.45,52.7 56.56,52.7 v1(56.94,53.08) ; v1(42.94,53.08) 42.56,52.7 41.45,52.7 40.55,51.8 39.85,51.8 ; v1(14.94,69.08) 14.56,68.7 13.45,68.7 12.55,67.8 11.85,67.8 ; v1(14.94,53.08) 14.56,52.7 13.45,52.7 12.55,51.8 11.85,51.8 ; 67.86,35.8 68.55,35.8 69.45,36.7 70.56,36.7 v1(70.94,37.08) ; 25.85,35.8 26.55,35.8 27.45,36.7 28.56,36.7 v1(28.94,37.08) ; 11.85,19.8 12.55,19.8 13.45,20.7 14.56,20.7 v1(14.94,21.08) ; 25.85,67.8 26.55,67.8 27.45,68.7 28.56,68.7 v1(28.94,69.08) ; v1(42.94,21.08) 42.56,20.7 41.45,20.7 40.55,19.8 39.85,19.8 ; 39.85,67.8 40.55,67.8 41.45,68.7 42.56,68.7 v1(42.94,69.08) ; 39.85,35.8 40.55,35.8 41.45,36.7 42.56,36.7 v1(42.94,37.08) ; v1(56.94,21.08) 56.56,20.7 55.45,20.7 54.55,19.8 53.85,19.8
/pad_3: length 123.7
  Top w0.1: 26.5,35.7 26.5,36.73 26.72,36.95 27.1,36.95 27.4,37.25 27.72,37.25 27.72,37.25 28.3,37.25 v1(28.39,37.34) ; 54.5,51.7 54.5,52.73 54.72,52.95 55.1,52.95 55.4,53.25 55.72,53.25 55.72,53.25 56.3,53.25 v1(56.39,53.34) ; 54.5,67.7 54.5,68.73 54.72,68.95 55.1,68.95 55.4,69.25 55.72,69.25 55.72,69.25 56.3,69.25 v1(56.39,69.34) ; 26.5,51.7 26.5,52.73 26.72,52.95 27.1,52.95 27.4,53.25 27.72,53.25 27.72,53.25 28.3,53.25 v1(28.39,53.34) ; v1(70.39,53.34) 70.3,53.25 69.72,53.25 69.72,53.25 69.4,53.25 69.1,52.95 68.72,52.95 68.5,52.73 68.5,51.7 ; v1(56.39,37.34) 56.3,37.25 55.72,37.25 55.72,37.25 55.4,37.25 55.1,36.95 54.72,36.95 54.5,36.73 54.5,35.7 ; 12.5,35.7 12.5,36.73 12.72,36.95 13.1,36.95 13.4,37.25 13.72,37.25 13.72,37.25 14.3,37.25 v1(14.39,37.34) ; v1(56.39,21.34) 56.3,21.25 55.72,21.25 55.72,21.25 55.4,21.25 55.1,20.95 54.72,20.95 54.5,20.73 54.5,19.7 ; 68.5,19.7 68.5,20.73 68.72,20.95 69.1,20.95 69.4,21.25 69.72,21.25 69.72,21.25 70.3,21.25 v1(70.39,21.34) ; v1(14.39,69.34) 14.3,69.25 13.72,69.25 13.72,69.25 13.4,69.25 13.1,68.95 12.72,68.95 12.5,68.73 12.5,67.7 ; 40.5,51.7 40.5,52.73 40.72,52.95 41.1,52.95 41.4,53.25 41.72,53.25 41.72,53.25 42.3,53.25 v1(42.39,53.34) ; 12.5,51.7 12.5,52.73 12.72,52.95 13.1,52.95 13.4,53.25 13.72,53.25 13.72,53.25 14.3,53.25 v1(14.39,53.34) ; 40.5,35.7 40.5,36.73 40.72,36.95 41.1,36.95 41.4,37.25 41.72,37.25 41.72,37.25 42.3,37.25 v1(42.39,37.34) ; v1(42.39,21.34) 42.3,21.25 41.72,21.25 41.72,21.25 41.4,21.25 41.1,20.95 40.72,20.95 40.5,20.73 40.5,19.7 ; v1(14.39,21.34) 14.3,21.25 13.72,21.25 13.72,21.25 13.4,21.25 13.1,20.95 12.72,20.95 12.5,20.73 12.5,19.7 ; 26.5,19.7 26.5,20.73 26.72,20.95 27.1,20.95 27.4,21.25 27.72,21.25 27.72,21.25 28.3,21.25 v1(28.39,21.34) ; 40.5,67.7 40.5,68.73 40.72,68.95 41.1,68.95 41.4,69.25 41.72,69.25 41.72,69.25 42.3,69.25 v1(42.39,69.34) ; v1(70.39,37.34) 70.3,37.25 69.72,37.25 69.72,37.25 69.4,37.25 69.1,36.95 68.72,36.95 68.5,36.73 68.5,35.7 ; v1(28.39,69.34) 28.3,69.25 27.72,69.25 27.72,69.25 27.4,69.25 27.1,68.95 26.72,68.95 26.5,68.73 26.5,67.7 ; v1(70.39,69.34) 70.3,69.25 69.72,69.25 69.72,69.25 69.4,69.25 69.1,68.95 68.72,68.95 68.5,68.73 68.5,67.7